# Altium PCB sinking-clock_Brain-PCB.PcbDoc
Units mm, origin at the board's own origin, x right, y up, seen from the top; angles counter-clockwise.
Board outline 62.6 x 89 mm, 2 copper layers (Top Layer, Bottom Layer), stack 1.57 mm thick; 76 components, 46 nets, 247 pads, 65 vias.
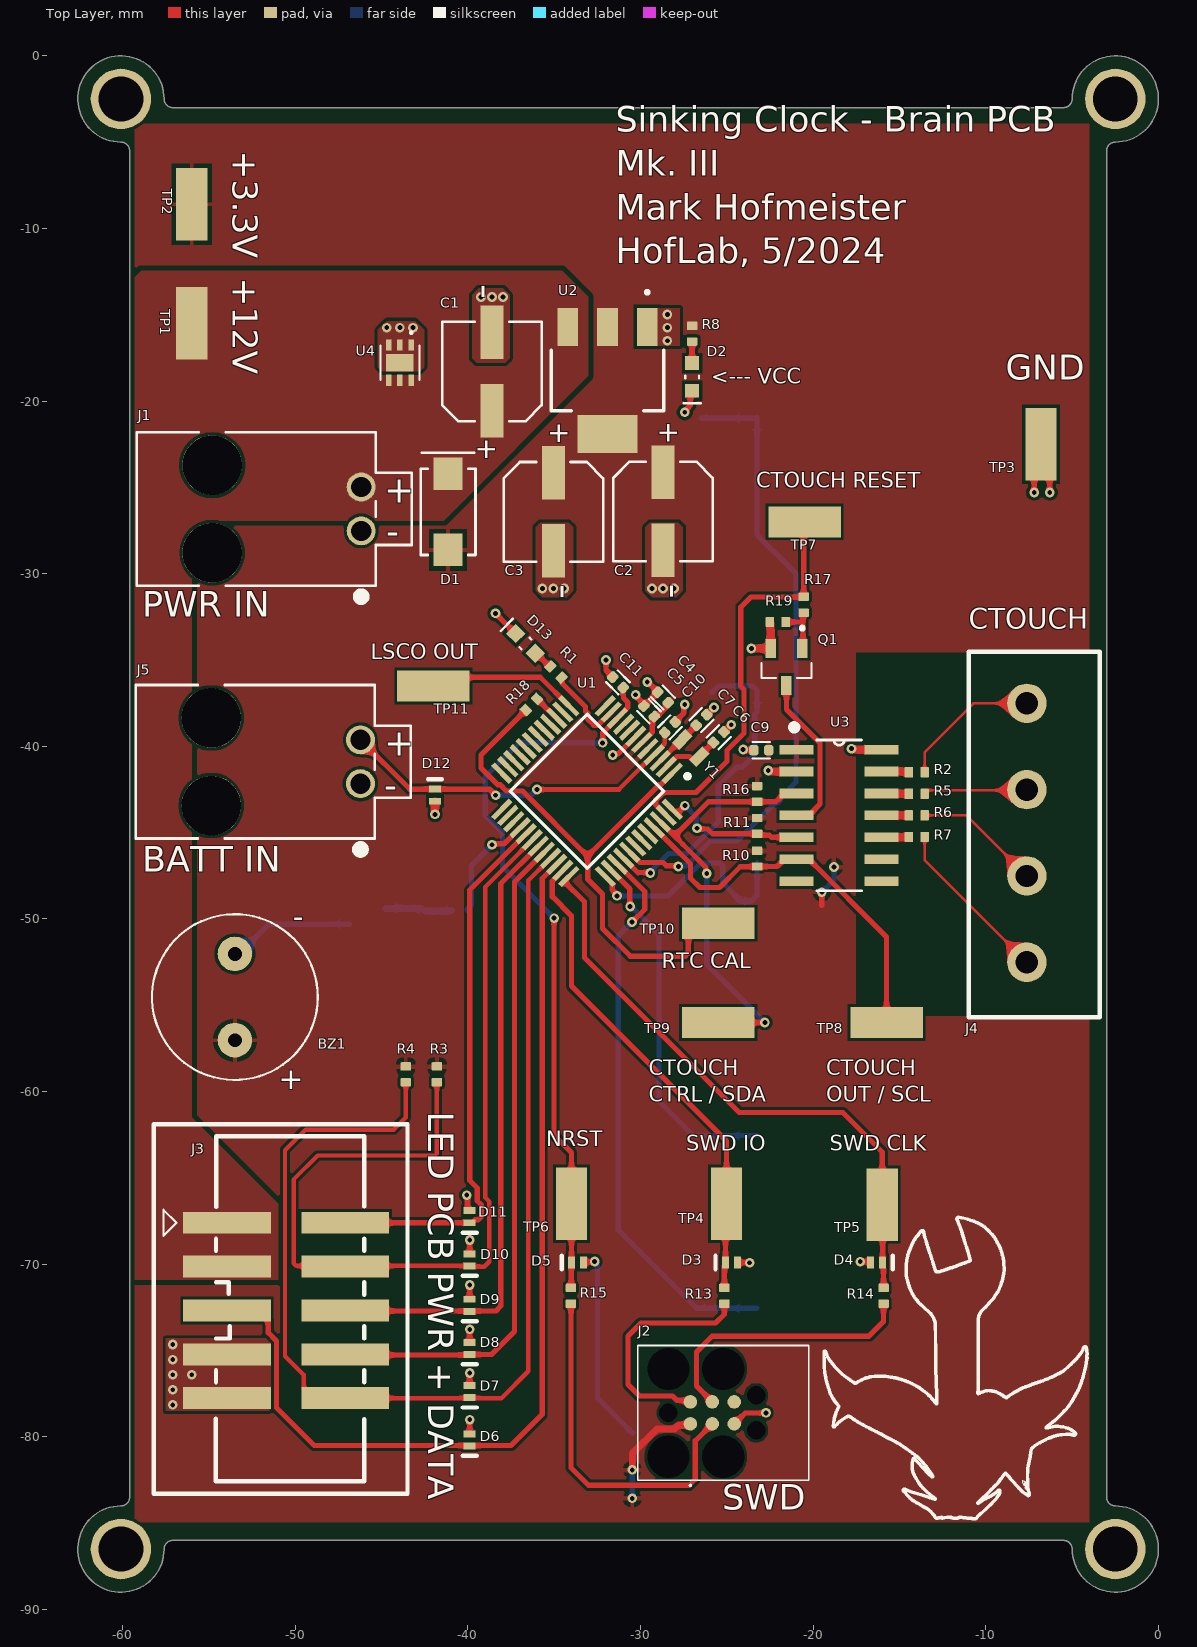
[diagram p0: Top Layer view]
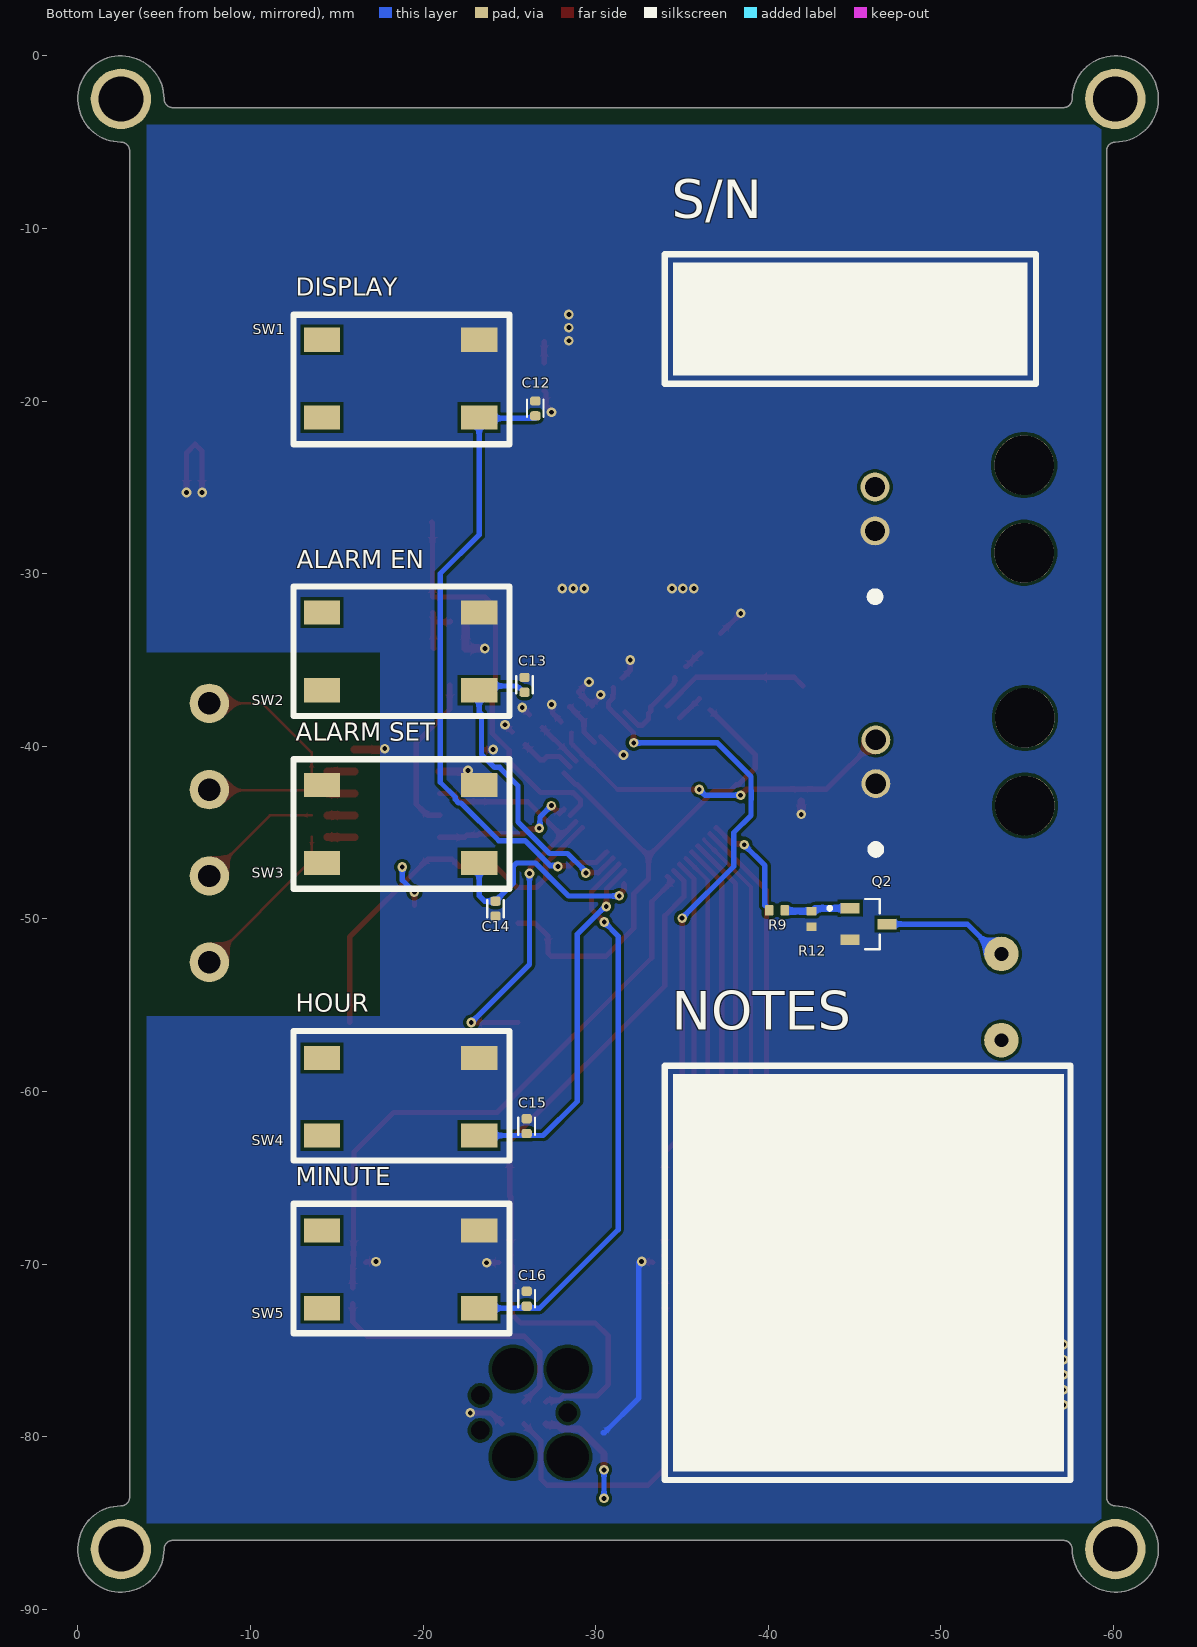
[diagram p1: Bottom Layer view, seen from below]
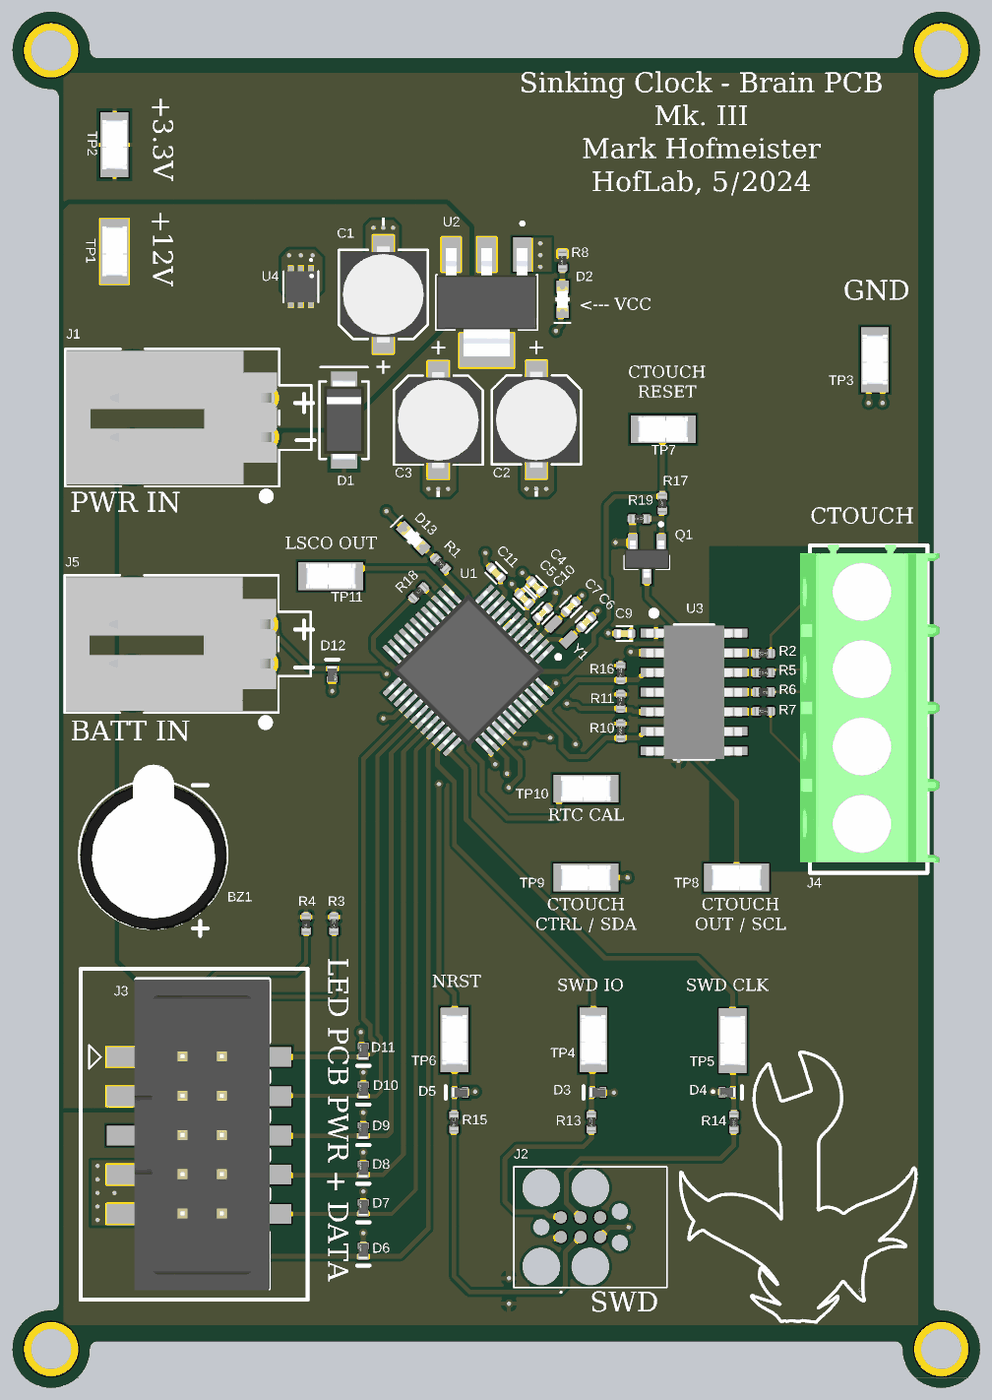
[diagram p2: 3D render of the assembled board from above, using the file's embedded part models]
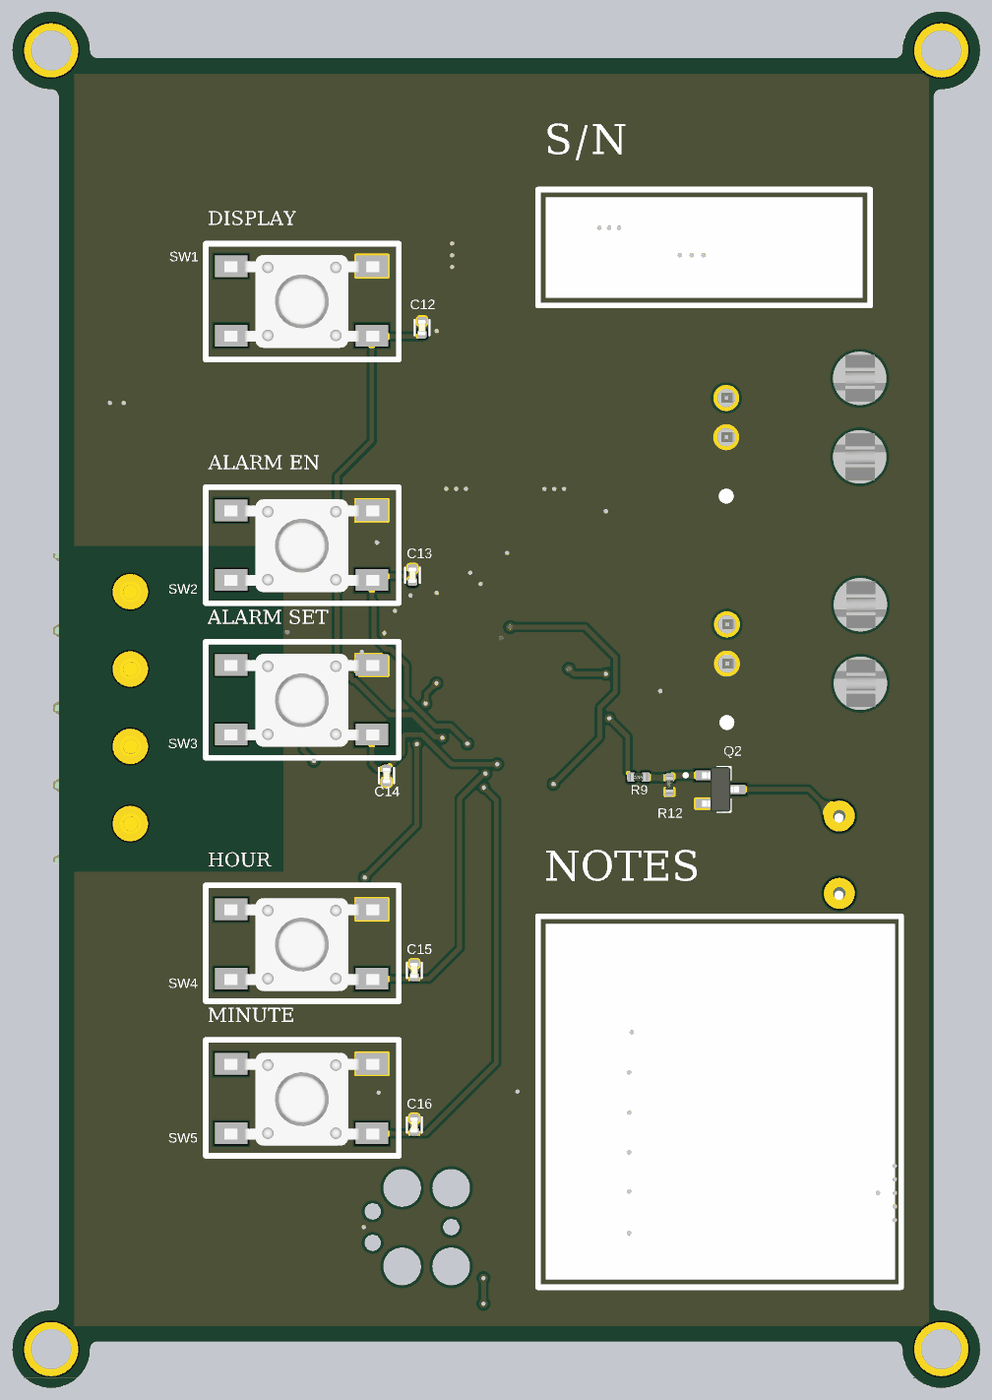
[diagram p3: 3D render of the assembled board from below, using the file's embedded part models]

## Layer stack, top to bottom
Top Solder: solder mask 0.0102, Solder Resist, Dk 3.5
Top Layer: signal copper 0.0356
Dielectric 1: dielectric 1.4986, FR-4, Dk 4.8
Bottom Layer: signal copper 0.0356
Bottom Solder: solder mask 0.0102, Solder Resist, Dk 3.5

## Board outline
-60.1,-84 ccw(c-60.1,-86.5) -57.6,-86.5 cw(c-57.1,-86.5) -57.1,-86 -5.5,-86 cw(c-5.5,-86.5) -5,-86.5 ccw(c-2.5,-86.5) -2.5,-84 cw(c-2.5,-83.5) -3,-83.5 -3,-5.5 cw(c-2.5,-5.5) -2.5,-5 ccw(c-2.5,-2.5) -5,-2.5 cw(c-5.5,-2.5) -5.5,-3 -57.1,-3 cw(c-57.1,-2.5) -57.6,-2.5 ccw(c-60.1,-2.5) -60.1,-5 cw(c-60.1,-5.5) -59.6,-5.5 -59.6,-83.5 cw(c-60.1,-83.5)

## Design rules (kind name [scope] priority, off if disabled: settings)
Clearance Power [InNet('+12') vs InNet('VCC')] p1: gap=0.305 ignorepadtopadclearanceinfootprint=FALSE except(0: Arc-Hole Track-Hole SMDPad-Hole THPad-Hole Via-Hole Fill-Hole Poly-Hole Region-Hole Text-Hole)
Clearance [All] p2: gap=0.178 ignorepadtopadclearanceinfootprint=FALSE except(0: Arc-Hole Track-Hole SMDPad-Hole THPad-Hole Via-Hole Fill-Hole Poly-Hole Region-Hole Text-Hole)
DiffPairsRouting [All] p1: maxlimit=0.254 minlimit=0.254 mostfreqgap=0.254 toplayer_minwidth=0.381 toplayer_maxwidth=0.381 toplayer_prefwidth=0.381 bottomlayer_minwidth=0.381 bottomlayer_maxwidth=0.381 bottomlayer_prefwidth=0.381 substack1={4D9DF745-3586-4407-82A4-C146782F3BE7} toplayer_{4d9df745-3586-4407-82a4-c146782f3be7}_minwidth=0.381 toplayer_{4d9df745-3586-4407-82a4-c146782f3be7}_maxwidth=0.381 toplayer_{4d9df745-3586-4407-82a4-c146782f3be7}_prefwidth=0.381 bottomlayer_{4d9df745-3586-4407-82a4-c146782f3be7}_minwidth=0.381 bottomlayer_{4d9df745-3586-4407-82a4-c146782f3be7}_maxwidth=0.381 bottomlayer_{4d9df745-3586-4407-82a4-c146782f3be7}_prefwidth=0.381 maxuncoupledlength=12.7
HoleSize [All] p1: absolutevalues=TRUE maxlimit=3.81 minlimit=0.152 maxpercent=80.000 minpercent=20.000
MinimumSolderMaskSliver [All] p1: minsoldermaskwidth=0.025
PolygonConnect PolygonConnect_3 [InNet('GND') vs InNet('GND')] p1: connectstyle=Direct reliefconductorwidth=0.254 reliefentries=4 polygonreliefangle="90 Angle" airgapwidth=0.254
PolygonConnect PolygonConnect_2 [InNet('+12')] p2: connectstyle=Direct reliefconductorwidth=0.254 reliefentries=4 polygonreliefangle="90 Angle" airgapwidth=0.254
PolygonConnect PolygonConnect_1 [InNet('VCC') vs InComponent('U2') OR InComponent('R8') OR InComponent('C2') OR InComponent('C3')] p3: connectstyle=Direct reliefconductorwidth=0.254 reliefentries=4 polygonreliefangle="90 Angle" airgapwidth=0.254
PolygonConnect [All] p4: connectstyle=Relief reliefconductorwidth=0.254 reliefentries=4 polygonreliefangle="90 Angle" airgapwidth=0.254
RoutingVias [All] p1: holewidth=0.279 width=0.559 viastyle="Through Hole" minholewidth=0.203 minwidth=0.406 maxholewidth=0.711 maxwidth=1.27
SilkToSolderMaskClearance [IsPad] p1: minsilkscreentomaskgap=0.1 clearancetoexposedcopper=TRUE
SolderMaskExpansion [IsVia] p1: expansion=0.102 istentingtop=TRUE useseparateexpansions=TRUE expansionbottom=0.102 istentingbottom=TRUE
SolderMaskExpansion SolderMaskExpansion_1 [All] p2: expansion=0.102 istentingtop=FALSE
UnRoutedNet [All] p1: checkbadconnections=TRUE
Width [All] p1: maxlimit=1.27 minlimit=0.152 preferedwidth=0.305 substack1={4D9DF745-3586-4407-82A4-C146782F3BE7} minimp=50.000000 maximp=50.000000 favimp=50.000000
25 further rules are at their usual default settings.

## Classes and differential pairs
component class PWR: C1 C2 C3 D1 D2 D13 R1 R8 R9 R13 R14 R15
component class CTOUCH: C9 R2 R5 R6 R7 R10 R11 R16 R17 R19

## Components (designator, comment, footprint, x,y, rotation, side; value= is the part's Value field where it differs from the comment)
BZ1 "CMI-9605IC-0380T" CUI_CMI-9605IC-0380T -53.5,-54.524 r180 top
C1 "CAP" CAP_CAN_POLY -38.608,-18.288 r90 top value=10uF
C2 "CAP" CAP_CAN_POLY -28.702,-26.391 r270 top value=10uF
C3 "CAP" CAP_CAN_POLY -35.052,-26.416 r270 top value=10uF
C4 "CAP" 0402C -28.704,-37.169 r315 top value=4.7uF
C5 "CAP" 0402C -29.504,-37.969 r315 top value=0.1uF
C6 "CAP" 0402C -25.473,-39.473 r225 top value=4pF
C7 "CAP" 0402C -26.473,-38.473 r225 top value=4pF
C9 "CAP" 0402C -23.005,-40.221 r0 top value=0.1uF
C10 "CAP" 0402C -28.3,-38.9 r225 top value=4.7uF
C11 "CAP" 0402C -31.309,-36.293 r315 top value=0.1uF
C12 "CAP" 0402C -26.5,-20.43 r270 bottom value=0.1uF
C13 "CAP" 0402C -25.879,-36.439 r270 bottom value=0.1uF
C14 "CAP" 0402C -24.2,-49.4 r90 bottom value=0.1uF
C15 "CAP" 0402C -26,-62 r270 bottom value=0.1uF
C16 "CAP" 0402C -26,-72 r270 bottom value=0.1uF
D1 "DIODE" DO-214AC -41.148,-26.416 r270 top
D2 "LED - single" "LED - 0603" -27.013,-18.6 r270 top
D3 "7V" DESD3V3S1BL-7B -25.059,-69.9 r0 top
D4 "7V" DESD3V3S1BL-7B -16.002,-69.9 r180 top
D5 "7V" DESD3V3S1BL-7B -33.975,-69.9 r0 top
D6 "7V" DESD3V3S1BL-7B -39.9,-80.5 r90 top
D7 "7V" DESD3V3S1BL-7B -39.9,-77.7 r90 top
D8 "7V" DESD3V3S1BL-7B -39.9,-75.2 r90 top
D9 "7V" DESD3V3S1BL-7B -39.9,-72.705 r90 top
D10 "7V" DESD3V3S1BL-7B -39.9,-70.075 r90 top
D11 "7V" DESD3V3S1BL-7B -39.9,-67.575 r90 top
D12 "7V" DESD3V3S1BL-7B -41.91,-42.505 r270 top
D13 "LED - single" "LED - 0603" -36.666,-34.034 r135 top
J1 "2-pin connector" CONN_MOLEX_705510001 -50.5,-26.25 r270 top
J2 "TC2030-IDC" "TAG CONNECT TC2030IDC - NO 3D MODEL" -26.162,-78.613 r0 top value=DNS
J3 "5x2, 0.1' pitch SMT header" "5x2, 0.1' pitch SMT header" -50.529,-72.68 r270 top
J4 "1935187" 1935187 -7.62,-45.012 r90 top
J5 "2-pin connector" CONN_MOLEX_705510001 -50.546,-40.894 r270 top
Q1 "NMOS" SOT-23 -21.55,-35.4 r270 top
Q2 "NMOS" SOT-23 -45.81,-50.3 r180 bottom
R1 "RES" 0402R -34.9,-35.7 r135 top value=56
R2 "RES" 0402R -14,-41.5 r180 top value=4.7k
R3 "RES" 0402R -41.8,-59 r90 top value=10k
R4 "RES" 0402R -43.6,-59 r90 top value=10k
R5 "RES" 0402R -14,-42.75 r180 top value=4.7k
R6 "RES" 0402R -14,-44 r180 top value=4.7k
R7 "RES" 0402R -14,-45.25 r180 top value=4.7k
R8 "RES" 0402R -27.013,-16.1 r90 top value=56
R9 "RES" 0402R -40.5,-49.5 r0 bottom value=56
R10 "RES" 0402R -23.25,-46.508 r90 top value=4.7k
R11 "RES" 0402R -23.25,-44.608 r90 top value=10k
R12 "RES" 0402R -42.5,-50 r90 bottom value=10k
R13 "RES" 0402R -25.146,-71.829 r90 top value=56
R14 "RES" 0402R -15.923,-71.829 r270 top value=56
R15 "RES" 0402R -34.036,-71.829 r90 top value=56
R16 "RES" 0402R -23.25,-42.758 r90 top value=4.7k
R17 "RES" 0402R -20.55,-31.8 r90 top value=56
R18 "RES" 0402R -36.322,-37.572 r45 top value=DNS
R19 "RES" 0402R -22.05,-32.8 r0 top value=10k
SW1 "SPDT SMT Tactile Push Button Switch" TL3301BF160QGTUBE -18.7,-18.7 r90 bottom locked
SW2 "SPDT SMT Tactile Push Button Switch" TL3301BF160QGTUBE -18.7,-34.5 r90 bottom locked
SW3 "SPDT SMT Tactile Push Button Switch" TL3301BF160QGTUBE -18.7,-44.5 r90 bottom locked
SW4 "SPDT SMT Tactile Push Button Switch" TL3301BF160QGTUBE -18.7,-60.3 r90 bottom locked
SW5 "SPDT SMT Tactile Push Button Switch" TL3301BF160QGTUBE -18.7,-70.3 r90 bottom locked
TP1 "RCWCTE" RCWCTE -56,-15.5 r270 top
TP2 "RCWCTE" RCWCTE -56,-8.6 r270 top
TP3 "RCWCTE" RCWCTE -6.8,-22.5 r270 top
TP4 "RCWCTE" RCWCTE -25.017,-66.5 r270 top
TP5 "RCWCTE" RCWCTE -16.002,-66.548 r270 top
TP6 "RCWCTE" RCWCTE -34,-66.5 r270 top
TP7 "RCWCTE" RCWCTE -20.5,-27 r0 top
TP8 "RCWCTE" RCWCTE -15.75,-56 r0 top
TP9 "RCWCTE" RCWCTE -25.5,-56 r0 top
TP10 "RCWCTE" RCWCTE -25.5,-50.25 r180 top
TP11 "RCWCTE" RCWCTE -42,-36.5 r180 top
U1 "STM32G031C6T6" 48-LQFP -33.1,-42.6 r225 top locked
U2 "AZ1117IH-3.3TRG1" SOT-223-3 -31.913,-18.8 r270 top
U3 "AT42QT1070-SSU" 14-SOIC -18.5,-44 r0 top
U4 "TVS1400DRVR" 6-WDFN-EP -43.942,-17.78 r270 top
Y1 "ECS-.327-7-12R-TR" ECS-.327-12.5-12R-TR -27.1,-40.1 r315 top

## Footprints (in the part's own frame and the unit in brackets; to place one, negate y for a bottom-side part, rotate by r counter-clockwise, add the part's x,y. Pads: shape width x height; smd on the part's side, far side on the other; paste and mask are expansions set on the pad)
"5x2, 0.1' pitch SMT header" [mil] "CONN HEADER SMD 10POS 2.54MM"
  rect 50x200 smd: 1(-200,-135) 2(-200,135) 3(-100,-135) 4(-100,135) 5(0,-135) 6(0,135) 7(100,-135) 8(100,135) 9(200,-135) 10(200,135)
  silkscreen extent -398,-280 390,178, body extent -396,-165 394,180, height 496
6-WDFN-EP [mm]
  rect 0.66x0.32 smd mask+0.038: 1(-1.025,0.65) 2(-1.025,0) 3(-1.025,-0.65) 4(1.025,-0.65) 5(1.025,0) 6(1.025,0.65)
  rect 1x1.6 smd paste-2 mask+0.038: PAD(0,0)
  silkscreen extent -1.78,-1.13 1,1.13, body extent -1,-1 1,1, height 0.8
14-SOIC [mil]
  rect 78x22 smd: 1(-97,150) 2(-97,100) 3(-97,50) 4(-97,0) 5(-97,-50) 6(-97,-100) 7(-97,-150) 8(97,-150) 9(97,-100) 10(97,-50) 11(97,0) 12(97,50) 13(97,100) 14(97,150)
  silkscreen extent -106,-172 51,205, body extent -122,-171 122,169, height 69
48-LQFP [mm]
  rect 1.475x0.3 smd mask+0.03: 1(-4.238,2.75) 2(-4.238,2.25) 3(-4.238,1.75) 4(-4.238,1.25) 5(-4.238,0.75) 6(-4.238,0.25) 7(-4.238,-0.25) 8(-4.238,-0.75) 9(-4.238,-1.25) 10(-4.238,-1.75) 11(-4.238,-2.25) 12(-4.238,-2.75) 25(4.238,-2.75) 26(4.238,-2.25) 27(4.238,-1.75) 28(4.238,-1.25) 29(4.238,-0.75) 30(4.238,-0.25) 31(4.238,0.25) 32(4.238,0.75) 33(4.238,1.25) 34(4.238,1.75) 35(4.238,2.25) 36(4.238,2.75)
  rect 0.3x1.475 smd mask+0.03: 13(-2.75,-4.238) 14(-2.25,-4.238) 15(-1.75,-4.238) 16(-1.25,-4.238) 17(-0.75,-4.238) 18(-0.25,-4.238) 19(0.25,-4.238) 20(0.75,-4.238) 21(1.25,-4.238) 22(1.75,-4.238) 23(2.25,-4.238) 24(2.75,-4.238) 37(2.75,4.238) 38(2.25,4.238) 39(1.75,4.238) 40(1.25,4.238) 41(0.75,4.238) 42(0.25,4.238) 43(-0.25,4.238) 44(-0.75,4.238) 45(-1.25,4.238) 46(-1.75,4.238) 47(-2.25,4.238) 48(-2.75,4.238)
  silkscreen extent -4.85,-3.15 3.15,3.62, body extent -4.5,-4.5 4.5,4.5, height 1.6
0402C [mm] "0402 SMT Capacitor"
  rrect53% 0.54x0.6 smd: 1(-0.43,0) 2(0.43,0)
  silkscreen extent -0.5,-0.48 0.5,0.48, body extent -0.5,-0.25 0.5,0.25, height 0.5
0402R [mm] "0402 SMT Resistor"
  rrect20% 0.49x0.6 smd: 1(-0.455,0) 2(0.455,0)
  body extent -0.75,-0.25 0.75,0.25, height 0.35
1935187 [mm]
  round 2.286 hole 1.3: 1(-7.5,0) 2(-2.5,0) 3(2.5,0) 4(7.5,0)
  silkscreen extent -10.69,-4.22 10.5,3.38, body extent -10.01,-4.99 10.56,4.01, height 11.44
CAP_CAN_POLY [mil]
  rect 122x52 smd paste+0 mask+4: 1(-89,0) 2(89,0)
  silkscreen extent -114,-114 114,114, body extent -122,-109 122,109, height 219
CONN_MOLEX_705510001 [mil]
  round 66 / inner round 60 / far side round 66 hole 46 paste-99999 mask+0: 1(50,170) 2(-50,170)
  round 136 / inner round 60 / far side round 136 hole 136 unplated paste-99999 mask-68: 3(-100,-170) 4(100,-170)
  silkscreen extent -175,-342 209,203, body extent -170,-338 170,197, height 276
CUI_CMI-9605IC-0380T [mm]
  round 2 hole 0.8: N(0,-2.5) P(0,2.5)
  silkscreen extent -4.8,-4.8 4.8,4.8, body extent -4.78,-5.82 4.72,4.88, height 5.05
DESD3V3S1BL-7B [mm]
  rect 0.4x0.7 smd mask+0.076: 1(-0.025,0) 2(0.675,0)
  silkscreen extent -0.6,-0.4 -0.6,0.4, body extent -0.18,-0.3 0.82,0.3, height 0.53
DO-214AC [mil]
  rect 74x66 smd paste+0 mask+0: A(87,0) K(-87,0)
  silkscreen extent -135,-63 99,63, body extent -102,-51 102,51, height 96
ECS-.327-12.5-12R-TR [mm]
  rect 0.6x1.1 smd: 1(-0.7,0) 2(0.7,0)
  body extent -1,-0.55 1,0.55, height 0.6
"LED - 0603" [mm]
  rect 0.8x0.8 smd: 1(-0.8,0) 2(0.8,0)
  silkscreen extent -0.08,-0.51 1.52,0.51, body extent -0.8,-0.35 0.8,0.35, height 0.7
RCWCTE [mm]
  rect 4.2x1.8 smd: 1(0,0)
  body extent -1.6,-0.8 1.6,0.8, height 2.01
SOT-23 [mm]
  rect 1.09x0.61 smd: 1(-1.07,0.915) 2(-1.07,-0.915) 3(1.07,0)
  silkscreen extent -2.35,-1.45 0.65,1.45, body extent -1.2,-1.45 1.2,1.45, height 1.2
SOT-223-3 [mm]
  rect 2.2x1.2 smd: 1(-3.1,2.3) 2(-3.1,0) 3(-3.1,-2.3)
  rect 2.2x3.5 smd: 4(3.1,0)
  silkscreen extent -5.2,-3.25 1.75,3.25, body extent -3.5,-3.25 3.5,3.25, height 1.65
"TAG CONNECT TC2030IDC - NO 3D MODEL" [mil]
  round 30.83 smd: 1(-37.52,-25) 2(-37.52,25) 3(12.48,-25) 4(12.48,25) 5(62.52,-25) 6(62.52,25)
  round 48.25 hole 96.5 unplated: 7(-87.52,-100) 9(-87.52,100) 10(37.48,-100) 11(37.48,100)
  round 21 hole 42.01 unplated: 8(-87.52,0) 12(112.48,-40) 13(112.48,40)
  silkscreen extent -157,-167 232,154
TL3301BF160QGTUBE [mm]
  rect 1.4x2.1 smd: 1(-2.25,-4.55) 2(-2.25,4.55) 3(2.25,-4.55) 4(2.25,4.55)
  body extent -3.04,-5.02 2.96,4.98, height 9.55

## Part data
BZ1: "MAGNETIC BUZZER INDICATOR", MFR="CUI Devices", MFR PN=CMI-9605IC-0380T, Type=TH
C1 C2 C3: library part "CAP - POLARIZED", "Capacitor", MFR="Würth Elektronik", MFR PN=865080642006, ClassName=PWR, Type=SMD
C4 C10: "Capacitor", MFR="Samsung Electro-Mechanics", MFR PN=CL05A475KQ5NRNC, Type=SMD, Vendor=DigiKey, Vendor Link=https://www.digikey.com/en/products/detail/samsung-electro-mechanics/CL05A105KL5NRNC/5961280, Vendor PN=1276-6796-1-ND
C5 C9 C11 C12 C13 C14 C15 C16: "Capacitor", MFR="Samsung Electro-Mechanics", MFR PN=CL05A104KP5NNNC, Type=SMD, Vendor=DigiKey, Vendor Link=https://www.digikey.com/en/products/detail/samsung-electro-mechanics/CL05A104KP5NNNC/3886680, Vendor PN=1276-1022-1-ND
  C9: ClassName=CTOUCH
C6 C7: "Capacitor", MFR=YAGEO, MFR PN=CC0402CRNPO9BN4R0, Type=SMD
D1: "DIODE GEN PURP", MFR="Micro Commercial Co", MFR PN=GS1M-LTP, ClassName=PWR, Type=SMD
D2 D13: "LED", Color=Green, MFR=Dialight, MFR PN=5988070107F, ClassName=PWR, Type=SMD, Vendor=DigiKey, Vendor Link=https://www.digikey.com/en/products/detail/dialight/5988070107F/1291269, Vendor PN=350-2035-1-ND
D3 D4 D5 D6 D7 D8 D9 D10 D11 D12: library part "TVS Diode Bi", MFR="Diodes Incorporated", MFR PN=DESD3V3E1BL-7B, Type=SMD
J1 J5: "CONN HEADER R/A 2POS 2.54MM", MFR=MOLEX, MFR PN=0705510001, Type=TH
J2: "\"Plug of Nails\" POGO Pin connector", MFR=Tag-Connect, MFR PN=TC2030-IDC-NL
J3: "CONN HEADER SMD 10POS 2.54MM", MFR="CNC Tech", MFR PN=3020-10-0300-00, Type=SMD
J4: library part "SCREW CONN 4 POS", "Fixed Terminal Blocks PT 1.5/4-5.0-H", MFR="Phoenix Contact", MFR PN=1935187, Type=TH
Q1 Q2: "N-Channel MOSFET", MFR="Diodes Incorporated", MFR PN=DMN63D8L-7, Type=SMD
R1 R8 R9 R13 R14 R15 R17: "Resistor", MFR=YAGEO, MFR PN=RC0402FR-0756RL, Type=SMD, Vendor=DigiKey, Vendor Link=https://www.digikey.com/en/products/detail/yageo/RC0402FR-0756RL/726636, Vendor PN=311-56.0LRCT-ND
  R1 R8 R9 R13 R14 R15: ClassName=PWR
  R17: ClassName=CTOUCH
R2 R5 R6 R7 R10 R16: "Resistor", MFR=YAGEO, MFR PN=AC0402FR-134K7L, ClassName=CTOUCH, Type=SMD
R3 R4 R11 R12 R19: "Resistor", MFR=YAGEO, MFR PN=RC0402JR-0710KL, Type=SMD, Vendor=DigiKey, Vendor Link=https://www.digikey.com/en/products/detail/yageo/RC0402JR-0710KL/726418, Vendor PN=311-10KJRCT-ND
  R11 R19: ClassName=CTOUCH
R18: "Resistor", Type=SMD
SW1 SW2 SW3 SW4 SW5: "Tactile Push Button Switch, Gull Wing Lead, 9.5mm contact height", MFR=E-Switch, MFR PN=TL3301BF160QG, Type=SMD, Vendor=DigiKey, Vendor Link=https://www.digikey.com/en/products/detail/e-switch/TL3301BF160QGTUBE/1805543, Vendor PN=141-TL3301BF160QGTUBE-ND
TP1 TP2 TP3 TP4 TP5 TP6 TP7 TP8 TP9 TP10 TP11: library part "Test Point", "Test Point, Surface Mount", MFR="KOA Speer Electronics, Inc.", MFR PN=RCWCTE, Type=SMD
U1: "STM32G031C6T6 - ARM MCU, STM32 Family STM32G0 Series Microcontrollers, ARM Cortex-M0+, 32bit, 64 MHz, 32 KB, 8 KB", MFR=STMicroelectronics, MFR PN=STM32G031C6T6, Type=SMD
U2: "IC REG LINEAR 3.3V 1A SOT223", MFR="Diodes Incorporated", MFR PN=AZ1117IH-3.3TRG1, Type=SMD
U3: "Capacitive Touch Buttons 14-SOIC", MFR=Microchip, MFR PN=AT42QT1070-SSU, Type=SMD
U4: "UNIDIR  PRECISION SURGE DIODE", MFR="Texas Instruments", MFR PN=TVS1400DRVR, Type=SMD
Y1: "SMD Tuning Fork Crystal", MFR="ECS Inc.", MFR PN=ECS-.327-7-12R-TR, Type=SMD

## Free pads (board coordinates)
  round 3.5 hole 2.6: 4(-60.1,-86.5) 4(-60.1,-2.5) 4(-2.5,-86.5) 4(-2.5,-2.5)

## Via types
v1: diameter 0.559, hole 0.279, Top Layer to Bottom Layer, tented both sides, 65 vias

## Nets (pads, with @x,y where several pads share a name; then routed paths per layer and width w, separated by ;. In a path a pad name is that pad's centre, name@x,y a point inside that pad or via, vN(x,y) a via of type N, cw(c..) or ccw(c..) an arc to the next point about the centre after c; other vN are vias at no path point)
+12: C1.1 D1.K J1.2 J3.1 J3.3 TP1.1 U2.3 U4.4 U4.5 U4.6
ALARM_EN_BUTTON: C13.2 SW2.1 U1.40 | length 18.7
  Top Layer w0.305: U1.40 -30.142,-47.325 -30.131,-47.314 -29.461,-47.314 v1(-29.434,-47.341)
  Bottom Layer w0.305: v1(-29.434,-47.341) -29.434,-47.272 -29.307,-47.145 -29.307,-47.138 -28.373,-46.204 -27.323,-46.204 -25.5,-44.381 -25.5,-42.283 -24.437,-41.22 -24.133,-41.22 -23.387,-40.474 -23.387,-38.135 -23.25,-37.998 SW2.1 -23.5,-36.5 -25.417,-36.5 -25.526,-36.609 -25.589,-36.609 -25.849,-36.869 C13.2
Alarm_LED: D6.1 J3.5 U1.34 | length 57.2
  Top Layer w0.305: J3.5 -52.053,-72.68 -51.57,-73.163 -51.57,-73.966 -51.088,-74.448 -51.088,-78.312 -48.9,-80.5 -37.5,-80.5 -35.7,-78.7 -35.7,-47.675 U1.34
ALARM_SET_BUTTON: C14.2 SW3.1 U1.37 | length 13.3
  Top Layer w0.305: U1.37@-31.636,-47.957 -31.636,-48.325 -31.363,-48.597 v1(-31.363,-48.666)
  Bottom Layer w0.305: v1(-31.363,-48.666) -28.42,-48.666 -26.516,-46.761 -25.413,-46.761 -25.234,-46.94 -25.234,-47.936 -24.348,-48.822 -24.348,-48.852 -24.23,-48.97 -23.57,-48.97 -23.25,-48.65 SW3.1
BUZZER_OUT: R9.2 U1.28 | length 6.4
  Top Layer w0.305: v1(-38.61,-45.7) -38.561,-45.651 -37.919,-45.651 U1.28
  Bottom Layer w0.305: R9.2 -40.045,-49.445 -39.8,-49.2 -39.8,-46.9 -38.61,-45.71 v1(-38.61,-45.7)
CAPTOUCH_CHANGE: R11.1 U1.48 U3.5 | length 8.6
  Top Layer w0.305: U1.48 -27.906,-43.905 -27.903,-43.905 v1(-27.432,-43.434) ; v1(-26.727,-44.746) -26.679,-44.795 -26.107,-44.795 -25.838,-45.063 R11.1 -23.157,-45.156 -22.526,-45.156 -22.412,-45.27 U3.5
  Bottom Layer w0.305: v1(-27.432,-43.434) -26.776,-44.09 -26.776,-44.697 v1(-26.727,-44.746)
CAPTOUCH_RESET: R17.2 TP7.1 U1.47 | length 23.9
  Top Layer w0.305: U1.47 -28.512,-44.002 -29.116,-43.398 -29.116,-43.1 -28.711,-42.694 -28.623,-42.694 -28.6,-42.672 -26.797,-42.672 -24.991,-40.866 -24.991,-40.231 -24.003,-39.243 -24.003,-36.718 -24.192,-36.529 -24.192,-31.939 -23.598,-31.345 R17.2 -20.55,-27.05 TP7.1
CAPTOUCH_SCL: R10.1 TP8.1 U1.45 U3.6 | length 22.8
  Top Layer w0.305: U1.45 -27.78,-46.152 -27.756,-46.152 -27.108,-46.799 -27.108,-47.642 -26.566,-48.184 -25.434,-48.184 -24.225,-46.975 -23.262,-46.975 R10.1 ; R10.1@-23.195,-46.963 -22.098,-46.963 -21.675,-46.54 U3.6 -20.253,-46.54 -15.75,-51.043 TP8.1
CAPTOUCH_SDA: R16.1 TP9.1 U1.46 U3.3 | length 25
  Top Layer w0.305: U1.46 -28.04,-45.185 ; v1(-26.162,-47.371) -26.211,-47.322 -26.211,-47.015 -27.556,-45.669 -28.04,-45.185 ; TP9.1 v1(-22.796,-56) ; U3.3 -21.675,-42.73 -22.158,-43.213 R16.1 -26.068,-43.213 -28.04,-45.185
  Bottom Layer w0.305: v1(-26.162,-47.371) -26.162,-52.634 v1(-22.796,-56)
DISPLAY_BUTTON: C12.2 SW1.1 U1.41 | length 37.4
  Top Layer w0.305: U1.41 -30.63,-46.127 -30.026,-46.731 -28.693,-46.731 -28.51,-46.914 -27.856,-46.914 v1(-27.81,-46.96)
  Bottom Layer w0.305: v1(-27.81,-46.96) -27.761,-46.911 -27.348,-46.911 -25.903,-45.466 -24.384,-45.466 -22.198,-43.28 -22.063,-43.28 -21.87,-43.087 -21.87,-42.952 -21,-42.082 -21,-30 -23.25,-27.75 SW1.1 -23.3,-21 C12.2@-26.5,-21
GND: C1.2 C2.2 C3.2 C4.1 C5.1 C6.1 C7.1 C9.1 C10.1 C11.1 C12.1 C13.1 C14.1 C15.1 C16.1 D2.2 D3.2 D4.2 D5.2 D6.2 D7.2 D8.2 D9.2 D10.2 D11.2 D12.2 D13.2 J1.1 J2.5 J3.7 J3.9 J5.1 Q1.2 Q2.2 R12.1 R19.1 SW1.3 SW2.3 SW3.3 SW4.3 SW5.3 TP3.1 U1.7 U2.1 U3.2 U3.14 U4.1 U4.2 U4.3 U4.PAD | length 44.5
  Top Layer w0.305: D12.2 D12.2@-41.897,-43.193 ; v1(-40.067,-66) -40.018,-66.049 -40.018,-66.852 -39.948,-66.852 D11.2 ; D6.2 v1(-39.9,-79) ; D7.2 v1(-39.9,-76.3) ; D8.2 v1(-39.9,-73.776) ; D9.2 v1(-39.9,-71.2) ; D10.2 v1(-39.9,-68.6) ; v1(-38.4,-32.3) D13.2 ; D5.2 -33.273,-69.873 -32.689,-69.873 v1(-32.662,-69.845) ; v1(-32,-35) -32,-35.589 C11.1@-31.546,-36.043 ; v1(-31.61,-40.5) -31.561,-40.451 -31.305,-40.451 U1.7 ; v1(-30.286,-37.008) -30.286,-37.077 -29.808,-37.555 C5.1 ; C5.1@-29.704,-37.56 C4.1 -29.008,-36.841 -29.572,-36.277 v1(-29.61,-36.277) ; C10.1 -27.996,-38.571 -27.494,-38.069 -27.494,-37.629 v1(-27.445,-37.581) ; v1(-27.441,-20.644) -27.441,-20.576 -27.122,-20.257 -27.122,-19.509 D2.2 ; C7.1 v1(-25.75,-37.75) ; C6.1 v1(-24.75,-38.75) ; J2.5 -23.939,-78.613 v1(-22.733,-78.613) ; D3.2 -24.377,-69.907 -23.691,-69.907 v1(-23.683,-69.915) ; v1(-24.057,-40.188) -24.041,-40.205 -23.452,-40.205 C9.1 ; v1(-17.272,-69.85) -16.725,-69.85 -16.677,-69.898 D4.2 ; v1(-7.2,-25.3) -7.2,-22.9 TP3.1 -6.3,-23 v1(-6.3,-25.3)
  Top Layer w0.457: v1(-41.91,-43.942) D12.2 ; v1(-23.582,-34.33) Q1.2 -22.465,-32.895 -22.505,-32.855 R19.1 ; v1(-22.6,-41.4) -22.54,-41.46 U3.2 ; v1(-17.78,-40.132) -17.753,-40.132 -17.695,-40.19 U3.14
  Bottom Layer w0.305: v1@-32.5,-69.9 -32.5,-77.753 -30.493,-79.761 -30.443,-79.761
  other v1: -57.1,-78.15 -57.1,-77.275 -57.1,-76.4 -56,-76.4 -57.1,-75.525 -57.1,-74.65 -35.687,-30.861 -35.052,-30.861 -34.417,-30.861 -29.337,-30.861 -28.702,-30.861 -28.067,-30.861 -28.448,-16.51 -44.704,-15.748 -43.942,-15.748 -43.18,-15.748 -28.448,-15.748 -28.448,-14.986 -39.243,-13.97 -38.608,-13.97 -37.973,-13.97
HOUR_SET_BUTTON: C15.2 SW4.1 U1.38 | length 21.1
  Top Layer w0.305: U1.38 -30.622,-48.26 -30.622,-49.261 v1(-30.607,-49.276)
  Bottom Layer w0.305: v1(-30.607,-49.276) -30.538,-49.276 -28.936,-50.878 -28.936,-60.564 -26.95,-62.55 -26.326,-62.55 -26.324,-62.548 -26,-62.548 -25.676,-62.548 -25.674,-62.55 SW4.1
Key0: J4.4 R2.1 | length 8.3
  Top Layer w0.152: R2.1 -13.545,-40.345 -10.712,-37.512 J4.4
Key1: J4.3 R5.1 | length 6
  Top Layer w0.152: R5.1 -13.545,-42.712 -13.376,-42.544 -7.652,-42.544 J4.3
Key2: J4.2 R6.1 | length 7.4
  Top Layer w0.152: R6.1 -11.132,-44 J4.2
Key3: J4.1 R7.1 | length 9.7
  Top Layer w0.152: R7.1 -13.545,-46.587 J4.1
MINUTE_SET_BUTTON: C16.2 SW5.1 U1.39 | length 32.4
  Top Layer w0.305: U1.39 -29.752,-48.423 -29.752,-49.437 v1(-30.496,-50.181)
  Bottom Layer w0.305: v1(-30.496,-50.181) -31.3,-50.985 -31.3,-68 -26.75,-72.55 -26,-72.55 SW5.1
NetBZ1_N: BZ1.N Q2.3 | length 7.4
  Bottom Layer w0.305: BZ1.N@-53.5,-52.278 -51.522,-50.3 Q2.3
NetC6_2: C6.2 U1.2 Y1.2 | length 3.3
  Top Layer w0.305: U1.2 -28.509,-41.194 -27.905,-40.59 -27.172,-40.59 -26.991,-40.772 -26.782,-40.772 Y1.2 -26.6,-40.595 -25.909,-39.904 C6.2@-25.904,-39.904
NetC7_2: C7.2 U1.3 Y1.1 | length 2.8
  Top Layer w0.305: U1.3 -28.862,-40.841 -27.627,-39.605 Y1.1 -27.595,-39.6 -26.904,-38.909 C7.2@-26.904,-38.904
NetC10_2: C10.2 D12.1 J5.2 U1.4 | length 20.9
  Top Layer w0.254: -31.263,-42.503 U1.4@-29.725,-40.965 ; U1.4 -29.219,-40.455 -28.592,-39.827 -28.592,-39.636 -28.589,-39.634 -28.589,-39.219 C10.2
  Top Layer w0.305: J5.2 -43.372,-42.48 D12.1 -38.746,-42.48 v1(-38.396,-42.83) ; v1(-36,-42.5) -31.266,-42.5 -31.263,-42.503 ; U1.4@-29.725,-40.965 -29.7,-40.965 -29.223,-40.487 U1.4
  Bottom Layer w0.305: v1(-38.396,-42.83) -36.33,-42.83 v1(-36,-42.5)
NetD2_1: D2.1 R8.1 | length 1.2
  Top Layer w0.305: D2.1 R8.1
NetD13_1: D13.1 R1.2 | length 1.2
  Top Layer w0.305: D13.1 -36.05,-34.6 -35.272,-35.378 R1.2
NetJ2_2: J2.2 R13.1 | length 13.6
  Top Layer w0.305: J2.2 -27.206,-77.887 -27.89,-77.887 -28.148,-77.629 -30.067,-77.629 -30.734,-76.962 -30.734,-74.168 -29.972,-73.406 -25.654,-73.406 -25.146,-72.898 R13.1
NetJ2_3: J2.3 R15.1 | length 20.9
  Top Layer w0.305: R15.1 -34.036,-81.788 -33.02,-82.804 -27.178,-82.804 -26.829,-82.455 -26.829,-80.232 J2.3
NetJ2_4: J2.4 R14.2 | length 15.9
  Top Layer w0.305: J2.4 -26.766,-77.057 -26.766,-75.088 -25.845,-74.168 -16.764,-74.168 -15.923,-73.327 R14.2
NetQ1_1: Q1.1 R17.1 R19.2 | length 3.2
  Top Layer w0.305: R19.2@-21.595,-32.745 R19.2 -20.685,-32.8 -20.592,-32.893 ; Q1.1 -20.592,-34.288 -20.592,-32.893 ; R17.1 -20.592,-32.298 -20.592,-32.893
NetQ1_3: Q1.3 U3.4 | length 9.3
  Top Layer w0.305: Q1.3 -21.55,-37.867 -19.6,-39.817 -19.6,-43.347 -20.253,-44 U3.4
NetQ2_1: Q2.1 R9.1 R12.2 | length 3.6
  Bottom Layer w0.406: Q2.1 R12.2@-42.715,-49.385 ; R12.2 -40.997,-49.545 -40.955,-49.503 R9.1
NetR1_1: R1.1 U1.11 | length 4.9
  Top Layer w0.305: R1.1 -34.578,-36.153 -34.617,-36.192 -34.537,-36.272 -34.537,-36.363 -33.194,-37.706 -33.194,-37.962 -33.065,-38.091 -33.065,-38.417 -32.708,-38.774 -32.456,-38.774 U1.11
NetR2_2: R2.2 U3.13 | length 1.6
  Top Layer w0.457: U3.13 -14.471,-41.46 -14.455,-41.476 R2.2
NetR5_2: R5.2 U3.12 | length 1.6
  Top Layer w0.305: U3.12 U3.12@-16.026,-42.74 ; R5.2@-14.465,-42.74 R5.2
  Top Layer w0.457: U3.12@-16.026,-42.74 R5.2@-14.465,-42.74
NetR6_2: R6.2 U3.11 | length 1.6
  Top Layer w0.457: U3.11 R6.2
NetR7_2: R7.2 U3.10 | length 1.6
  Top Layer w0.457: U3.10 -14.471,-45.27 -14.455,-45.254 R7.2
NetR18_2: R18.2 U1.15 | length 1.6
  Top Layer w0.305: R18.2 -35.296,-37.954 -35.271,-37.954 U1.15
NRST: C11.2 D5.1 R15.2 TP6.1 U1.10 | length 43.3
  Top Layer w0.305: v1(-35.008,-49.951) -35.008,-62.528 -34,-63.536 TP6.1 D5.1 -34.018,-69.918 -34.018,-71.356 R15.2 ; v1(-32.2,-39.8) -32.185,-39.785 -32.185,-39.211 U1.10 -31.341,-38.362 -30.863,-37.885 -30.863,-37.86 -30.737,-37.734 -30.737,-37.46 -30.994,-37.203 -30.994,-37.033 -31.026,-37.001 -31.026,-36.619 C11.2
  Bottom Layer w0.305: v1(-35.008,-49.951) -38,-46.959 -38,-45 -39,-44 -39,-43.088 -39.006,-43.082 -39.006,-42.577 -39,-42.571 -39,-41.75 -37.05,-39.8 v1(-32.2,-39.8)
RCC_LSCO: TP11.1 U1.13 | length 8.7
  Top Layer w0.305: TP11.1 -41.5,-36 -35.811,-36 U1.13
RTC_CAL: R18.1 TP10.1 U1.1 | length 32.9
  Top Layer w0.305: R18.1 -39.25,-40.5 -39.25,-41.25 -38.28,-42.22 -38.144,-42.22 -37.787,-42.577 -37.787,-42.592 -36.837,-42.592 -33.064,-46.365 ; U1.1 -28.162,-41.548 -28.826,-42.212 -28.911,-42.212 -33.064,-46.365 ; TP10.1 -26.484,-50.25 -27.231,-50.998 -27.231,-51.981 -27.41,-52.16 -30.59,-52.16 -32.199,-50.551 -32.199,-48.551 -33.064,-47.686 -33.064,-46.365
SHIFT_DATA_CLK: D8.1 J3.8 U1.32 | length 38.9
  Top Layer w0.305: J3.8 -47.059,-75.261 D8.1@-39.8,-75.261 ; D8.1@-39.8,-75.225 -38.625,-75.225 -37.3,-73.9 -37.3,-47.861 U1.32
SHIFT_DATA_IN: D11.1 J3.2 U1.29 | length 31.7
  Top Layer w0.305: J3.2 -43.5,-67.6 ; -43.4,-67.6 D11.1 -39.75,-67.6 -39.58,-67.43 -39.413,-67.43 -39.22,-67.237 -39.22,-66.563 -39.457,-66.326 -39.457,-65.581 -39.9,-65.138 -39.9,-48.339 U1.29
SHIFT_MCLR: D7.1 J3.10 R4.1 U1.33 | length 68.3
  Top Layer w0.254: R4.1 -43.6,-61.5 -44.3,-62.2 -49.4,-62.2 -50.6,-63.4 -50.6,-75.326 -49.513,-76.413 -49.513,-77.252 -49.005,-77.76 J3.10 -38.06,-77.76 -36.5,-76.2 -36.5,-47.768 U1.33
SHIFT_OUTPUT_EN: D10.1 J3.4 R3.1 U1.30 | length 55.1
  Top Layer w0.254: R3.1 -41.8,-63.59 -41.91,-63.7 -48.7,-63.7 -50.1,-65.1 -50.1,-69.951 -49.951,-70.1 -47.14,-70.1 J3.4 -47.06,-70.1 D10.1 ; D10.1@-39.9,-70.14 -39.049,-70.14 -38.763,-69.854 -38.763,-66.374 -39,-66.136 -39,-48.146 U1.30
SHIFT_STORE_CLK: D9.1 J3.6 U1.31 | length 36.7
  Top Layer w0.305: J3.6 -47.075,-72.705 -38.384,-72.705 -38.1,-72.421 -38.1,-47.954 U1.31
SWD_CLK: D4.1 R14.1 TP5.1 U1.36 | length 35.1
  Top Layer w0.305: U1.36 -34.429,-47.818 -34.429,-47.821 -33.25,-49 -33.25,-52.25 -24.286,-61.214 -18.288,-61.214 -16.002,-63.5 TP5.1 -15.977,-66.573 D4.1 -15.977,-70.05 -15.923,-70.104 R14.1
SWD_IO: D3.1 R13.2 TP4.1 U1.35 | length 28.7
  Top Layer w0.305: U1.35 -34.506,-47.191 -35.11,-47.795 -35.11,-48.71 -34,-49.82 -34,-53.884 -25.017,-62.867 -25.017,-66.04 -25.084,-66.107 D3.1 -25.084,-70.05 -25.146,-70.112 R13.2
VCC: BZ1.P C2.1 C3.1 C4.2 C5.2 C9.2 D1.A J2.1 R3.2 R4.2 R8.2 R10.2 R11.2 R16.2 TP2.1 U1.5 U1.6 U2.2 U2.4 U3.1 | length 11.9
  Top Layer w0.305: U1.6 -29.927,-39.777 -29.317,-39.167 -29.317,-38.525 -29.296,-38.504 C4.2@-28.496,-37.704 ; -19.499,-49.217 v1(-19.499,-48.455)
  Top Layer w0.406: v1(-30.48,-81.915) -30.48,-80.976 -29.05,-79.546 -28.025,-79.546 -27.799,-79.32 -27.187,-79.32 J2.1
  Bottom Layer w0.305: v1(-30.48,-83.566) v1(-30.48,-81.915) ; v1(-19.499,-48.455) -18.796,-47.752 v1(-18.796,-46.99)
pads on no net: J1.3 J1.4 J2.6 J2.7 J2.8 J2.9 J2.10 J2.11 J2.12 J2.13 J5.3 J5.4 SW1.2 SW1.4 SW2.2 SW2.4 SW3.2 SW3.4 SW4.2 SW4.4 SW5.2 SW5.4 U1.8 U1.9 U1.12 U1.14 U1.16 U1.17 U1.18 U1.19 U1.20 U1.21 U1.22 U1.23 U1.24 U1.25 U1.26 U1.27 U1.42 U1.43 U1.44 U3.7 U3.8 U3.9

## Polygon pours and split planes (outlines as drawn)
VCC on Top Layer "VCC_L01_P015" (solid, remove dead copper, pour order 15): -59.309,-3.937 -4.009,-3.937 -4.009,-84.937 -59.309,-84.937
+12 on Top Layer "Top Layer-No Net" (solid, pour order 14): -59.3,-70.9 -51,-70.9 -51,-66.5 -56,-61.5 -56,-28.229 -54.695,-26.924 -41.402,-26.924 -33.02,-18.542 -33.02,-13.97 -34.544,-12.446 -58.928,-12.446 -59.3,-12.818 -59.3,-28.262
GND on Top Layer "NONET_L01_P-001" (solid, pour order 13): -27.94,-31.369 -27.559,-30.988 -27.559,-27.305 -27.813,-27.051 -29.464,-27.051 -29.718,-27.305 -29.718,-30.988 -29.337,-31.369
GND on Top Layer "NONET_L01_P-001" (solid, pour order 12): -34.29,-31.369 -33.909,-30.988 -33.909,-27.305 -34.163,-27.051 -35.814,-27.051 -36.068,-27.305 -36.068,-30.988 -35.687,-31.369
GND on Top Layer "NONET_L01_P-001" (solid, pour order 11): -39.37,-13.462 -39.751,-13.843 -39.751,-17.526 -39.497,-17.78 -37.846,-17.78 -37.592,-17.526 -37.592,-13.843 -37.973,-13.462
GND on Top Layer "NONET_L01_P-001" (solid, pour order 10): -45.212,-15.875 -44.958,-15.621 -44.704,-15.367 -43.053,-15.367 -42.545,-15.875 -42.545,-18.034 -42.799,-18.288 -44.958,-18.288 -45.212,-18.034
GND on Top Layer "GND_L01_P001" (solid, remove dead copper, pour order 1): -57.5,-78.5 -51,-78.5 -51,-74.3 -57.5,-74.3
GND on Top Layer "GND_L01_P005" (solid, pour order 5): -30.128,-16.8 -27.728,-16.8 -27.728,-14.626 -30.128,-14.626
GND on Bottom Layer "GND_L02_P002" (solid, remove dead copper, pour order 2): -59.3,-4 -4,-4 -4,-85 -59.3,-85

## Other copper
Top Layer:
  pour cut-out: -3.048,-34.544 -17.526,-34.544 -17.526,-55.626 -3.048,-55.626
Bottom Layer:
  pour cut-out: -3.048,-34.544 -17.526,-34.544 -17.526,-55.626 -3.048,-55.626

## Silkscreen, mask and mechanical layers (free items; w line width, h text height)
Top Overlay:
  drawing of 665 lines, arcs and shapes, not listed
  text "+3.3V" at -54.116,-5.491 h2.5 r270
  text "Sinking Clock - Brain PCB / Mk. III / Mark Hofmeister / HofLab, 5/2024" at -31.442,-12.522 h2.54
  text "+12V" at -54.129,-12.869 h2.5 r270
  text "GND" at -8.853,-19.249 h2.5
  text "<--- VCC" at -25.912,-19.285 h1.52
  text "CTOUCH RESET" at -23.305,-25.298 h1.52
  text "+" at -44.846,-25.9 h1.52
  text "-" at -44.746,-28.308 h1.52
  text "PWR IN" at -58.88,-32.985 h2.54
  text "CTOUCH" at -10.985,-33.607 h2.03
  text "LSCO OUT" at -45.639,-35.232 h1.52
  text "+" at -44.846,-40.55 h1.52
  text "-" at -44.846,-43.008 h1.52
  text "BATT IN" at -58.864,-47.768 h2.54
  text "RTC CAL" at -28.778,-53.151 h1.52
  text "CTOUCH  / CTRL / SDA" at -29.522,-60.868 h1.52
  text "CTOUCH / OUT / SCL" at -19.24,-60.871 h1.52
  text "LED PCB PWR + DATA" at -42.796,-61.165 h2.54 r270
  text "NRST" at -35.466,-63.453 h1.52
  text "SWD IO" at -27.365,-63.705 h1.52
  text "SWD CLK" at -19.032,-63.705 h1.52
  text "SWD" at -25.254,-84.707 h2.54
Bottom Overlay:
  region: -34.5,-59 -57.1,-59 -57.1,-82 -34.5,-82
  region: -34.5,-12 -55,-12 -55,-18.5 -34.5,-18.5
  lines w0.356: -57.5,-82.5 -34,-82.5 -34,-58.5 -57.5,-58.5 -57.5,-82.5 ; -55.5,-19 -34,-19 -34,-11.5 -55.5,-11.5 -55.5,-19 ; -25,-74 -25,-66.5 -12.5,-66.5 -12.5,-74 -25,-74 ; -25,-64 -12.5,-64 -12.5,-56.5 -25,-56.5 -25,-64 ; -25,-48.25 -12.5,-48.25 -12.5,-40.75 -25,-40.75 -25,-48.25 ; -25,-38.25 -12.5,-38.25 -12.5,-30.75 -25,-30.75 -25,-38.25 ; -25,-22.5 -25,-15 -12.5,-15 -12.5,-22.5 -25,-22.5
  text "S/N" at -34.402,-10.146 h3.81
  text "DISPLAY" at -12.632,-14.235 h1.78
  text "ALARM EN" at -12.67,-30.039 h1.78
  text "ALARM SET" at -12.617,-40.035 h1.78
  text "HOUR" at -12.619,-55.732 h1.78
  text "NOTES" at -34.412,-57.139 h3.81
  text "MINUTE" at -12.615,-65.774 h1.78
Mechanical 1:
  circle w0.2: c-2.525,-2.525 r1.3
  circle w0.2: c-60.1,-86.525 r1.3
  circle w0.2: c-60.1,-2.524 r1.3
  circle w0.2: c-2.525,-86.525 r1.3
Outline:
  the board outline again, w0.254

## Text inside footprints (layer, text, board x,y; h text height)
BZ1: Mechanical 13 "+" at -49.5,-58.794 h1.27 r180; Mechanical 13 "-" at -49.5,-49.534 h1.27 r180; Top Overlay "+" at -49.5,-58.794 h1.27 r180; Top Overlay "-" at -49.5,-49.534 h1.27 r180
C1: Top Overlay "-" at -37.894,-14.097 h3.05 r90; Top Overlay "+" at -38.016,-23.495 h2.03 r90
C2: Top Overlay "-" at -29.416,-30.582 h3.05 r270; Top Overlay "+" at -29.294,-21.184 h2.03 r270
C3: Top Overlay "-" at -35.766,-30.607 h3.05 r270; Top Overlay "+" at -35.644,-21.209 h2.03 r270